# Altium PCB PCB2.PcbDoc (part 2 of 2)
Units mm, origin at the board's own origin, x right, y up, seen from the top; angles counter-clockwise.
Board outline 84.64 x 39.24 mm, 4 copper layers (Top Layer, Mid Layer 1, Mid Layer 2, Bottom Layer), stack 0.603 mm thick; 97 components, 60 nets, 298 pads, 184 vias.
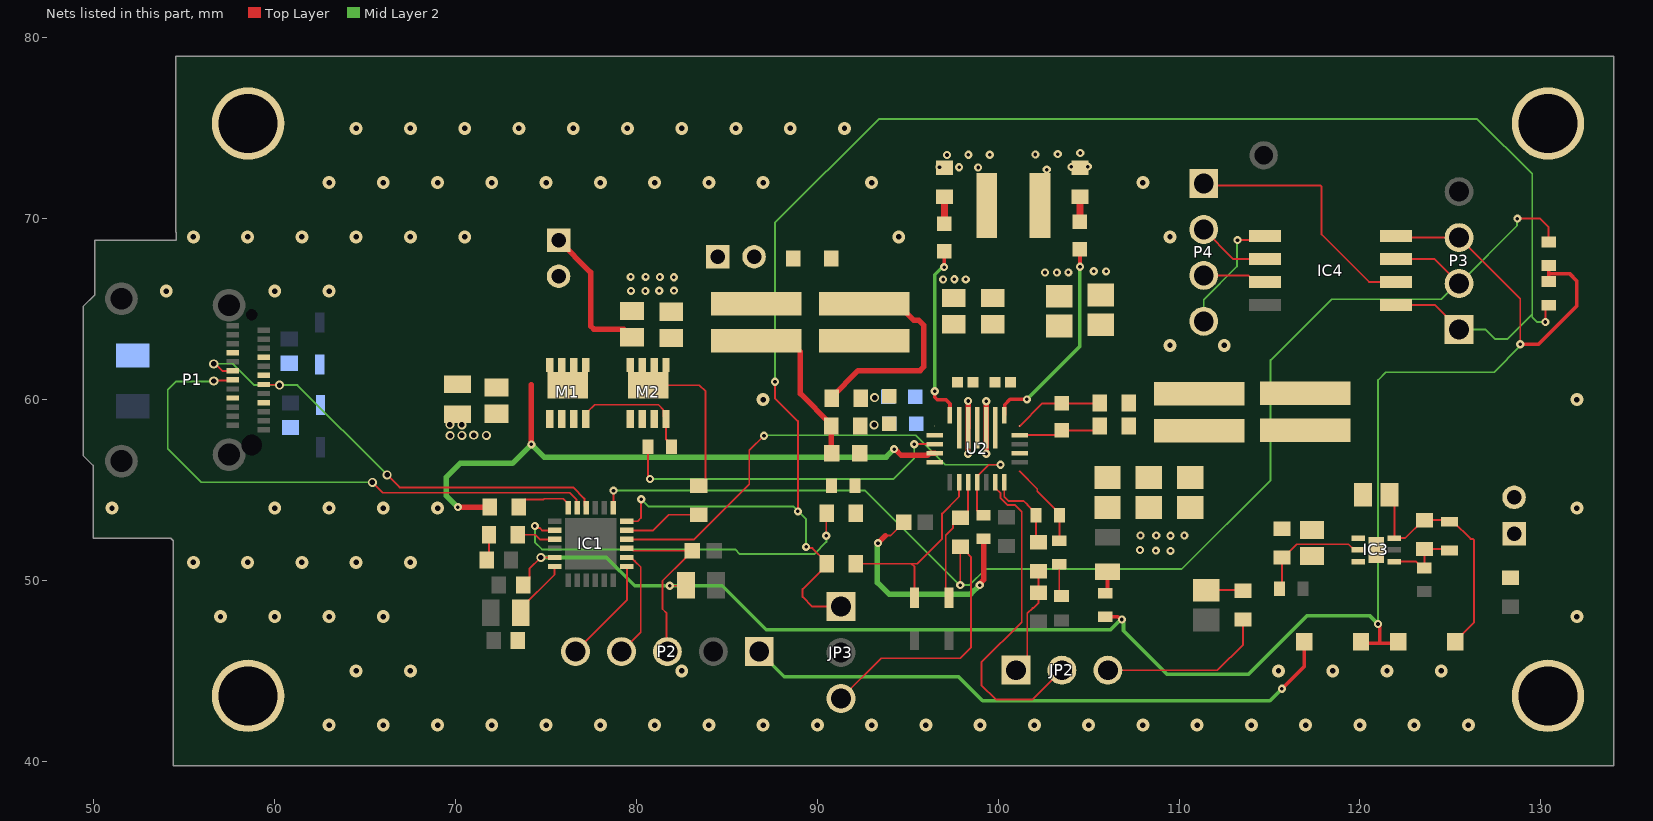
[diagram p4: the nets of this part, all layers, seen from the top]

## Via types
v1: diameter 0.711, hole 0.3, Top Layer to Bottom Layer, 81 vias
v2: diameter 0.45, hole 0.2, Top Layer to Bottom Layer, 77 vias
v3: diameter 0.5, hole 0.3, Top Layer to Bottom Layer, 24 vias
v4: diameter 0.5, hole 0.2, Top Layer to Bottom Layer, 1 vias
v5: diameter 1.27, hole 0.711, Top Layer to Bottom Layer, 1 vias

## Nets (pads, with @x,y where several pads share a name; then routed paths per layer and width w, separated by ;. In a path a pad name is that pad's centre, name@x,y a point inside that pad or via, vN(x,y) a via of type N, cw(c..) or ccw(c..) an arc to the next point about the centre after c; other vN are vias at no path point) (continued)
DM0: IC1.16 P1.A7 P1.B7 | length 26.2
  Top Layer w0.102: v3(56.624,61.979) 56.703,61.979 57.095,61.587 P1.B7@57.681,61.587 ; P1.A7@59.381,60.837 59.4,60.818 60.242,60.818 v3(60.261,60.799) ; v3(66.212,55.838) 66.902,55.148 76.502,55.148 77.122,54.528 77.122,54.12 IC1.16@77.221,54.021
  Mid Layer 2 w0.102: v3(56.624,61.979) 57.678,61.979 58.858,60.799 v3(60.261,60.799) 61.251,60.799 v3(66.212,55.838)
DP0: IC1.17 P1.A6 P1.B6 | length 31.3
  Top Layer w0.102: v3(56.626,61.028) 56.656,61.058 57.652,61.058 P1.B6@57.681,61.087 ; v3(65.396,55.426) 65.975,54.847 76.321,54.847 76.68,54.489 76.68,54.062 IC1.17@76.721,54.021
  Mid Layer 2 w0.102: v3(56.626,61.028) 56.605,61.007 54.547,61.007 54.078,60.538 54.078,57.279 55.931,55.426 v3(65.396,55.426)
FB: IC1.20 R20.1 | length 20.4
  Top Layer w0.102: v2(74.379,53.014) 74.473,53.014 74.584,52.903 74.644,52.903 74.776,52.771 IC1.20@75.471,52.771 ; v2(90.494,52.475) 90.494,53.702 R20.1@90.513,53.721
  Mid Layer 2 w0.102: v2(74.379,53.014) 74.379,52.116 74.774,51.721 85.452,51.721 85.717,51.455 89.825,51.455 90.503,52.133 90.503,52.466 v2(90.494,52.475)
IMON: C36.1 R29.2 | length 2
  Top Layer w0.102: C36.1@111.506,49.467 113.512,49.467 R29.2@113.538,49.441
INT: IC1.10 R30.2 U2.5 | length 28.7
  Top Layer w0.102: IC1.10@79.471,52.271 83.194,52.271 86.239,55.316 86.239,57.188 v2(87.05,57.999) ; R30.2@99.187,53.609 99.087,53.609 98.834,53.862 U2.5@98.834,55.437 98.834,55.762 99.467,56.395 v2(100.13,56.395)
  Mid Layer 2 w0.102: v2(87.05,57.999) 87.08,58.029 95.432,58.029 97.066,56.395 v2(100.13,56.395)
"LDO OUT": C1.2 C3.2 D2.2 IC3.6 R2.2 | length 13.8
  Top Layer w0.102: C3.2@121.63,54.737 121.904,54.463 IC3.6@121.904,52.339 122.495,52.339 123.496,53.34 R2.2@123.571,53.34 124.879,53.34 C1.2@124.968,53.251 125.168,53.251 126.119,52.3 126.24,52.3 126.3,52.24 126.3,47.661 125.273,46.634 D2.2@125.273,46.609
NetC1_1: C1.1 IC3.4 R2.1 R4.2 | length 4.3
  Top Layer w0.102: IC3.4@121.904,51.039 123.12,51.039 123.471,50.688 R4.2@123.571,50.688 R2.1@123.571,51.74 124.879,51.74 C1.1@124.968,51.651
NetC7_1: C7.1 U2.23 | length 10
  Top Layer w0.102: C7.1@97.008,68.191 C7.1@97.028,68.211
  Top Layer w0.2: v2(96.492,60.46) 96.492,60.13 96.627,59.995 97.112,59.995 97.334,59.773 U2.23@97.334,59.137 ; v2(97.008,67.323) C7.1@97.008,68.191
  Mid Layer 2 w0.102: v2@96.905,67.323 v2(97.008,67.323)
  Mid Layer 2 w0.2: v2(96.492,60.46) 96.492,66.91 v2@96.905,67.323
NetC7_2: C7.2 R7.2 | length 1.5
  Top Layer w0.4: C7.2@97.028,69.711 R7.2@97.028,71.209
NetC8_1: C8.1 U2.17 | length 11.5
  Top Layer w0.102: C8.1@104.521,68.326 C8.1@104.525,68.322
  Top Layer w0.2: U2.17@100.334,59.137 100.358,59.161 100.358,59.712 100.658,60.012 v2(101.588,60.012) ; v2(104.525,67.347) C8.1@104.525,68.322
  Mid Layer 2 w0.102: v2@104.5,67.322 v2(104.525,67.347)
  Mid Layer 2 w0.2: v2(101.588,60.012) 104.5,62.924 v2@104.5,67.322
NetC8_2: C8.2 R8.2 | length 1.4
  Top Layer w0.4: C8.2@104.521,69.826 R8.2@104.521,71.209
NetC9_2: C9.2 C10.2 C11.2 R9.1 R12.2 R13.2 U2.18
NetC30_1: C30.1 R23.2 | length 1.4
  Top Layer w0.102: C30.1@71.721,51.132 71.845,51.256 R23.2@71.845,52.529
NetC31_1: C31.1 C34.2 IC1.24 | length 3.3
  Top Layer w0.102: C34.2@73.602,48.211 73.602,48.461 75.471,50.33 IC1.24@75.471,50.771
NetD5_1: D5.1 R25.2 U2.4 | length 7.1
  Top Layer w0.102: D5.1@97.282,49.041 97.1,49.223 97.1,52.5 97.493,52.893 97.493,53.118 97.842,53.467 R25.2@97.917,53.467 97.984,53.467 98.334,53.816 U2.4@98.334,55.437
NetD6_1: D6.1 R24.2 U2.3 | length 10.8
  Top Layer w0.102: R24.2@92.113,50.927 95.2,50.927 ; D6.1@95.377,49.041 95.377,50.75 95.2,50.927 ; U2.3@97.834,55.437 97.834,54.634 96.897,53.697 96.897,52.297 95.527,50.927 95.2,50.927
NetD7_2: "J4V (SOLAR).2" D7.2
NetIC1_11: IC1.11 R6.2 | length 4.3
  Top Layer w0.102: IC1.11@79.471,52.771 80.924,52.771 81.787,53.634 R6.2@83.44,53.634
NetIC1_21: IC1.21 R23.1 | length 2.1
  Top Layer w0.102: R23.1@73.445,52.529 74.391,52.529 74.649,52.271 IC1.21@75.471,52.271
NetIC3_2: IC3.2 R1.2 R3.2 | length 6.4
  Top Layer w0.102: R3.2@115.555,49.53 115.697,49.672 R1.2@115.697,51.27 115.772,51.27 116.501,51.999 119.369,51.999 119.679,51.689 IC3.2@119.904,51.689
NetJP2_3: JP2.3 R29.1 | length 9.5
  Top Layer w0.102: JP2.3@106.062,45.037 112.123,45.037 113.538,46.452 R29.1@113.538,47.841
NetLED1_2: LED1.2 R21.2 | length 1.2
  Top Layer w0.102: R21.2@105.918,49.291 R21.2@106.045,49.418
  Top Layer w0.2: R21.2@106.045,49.418 LED1.2@106.045,50.485
NetM1_4: M1.4 M2.4 R14.2 | length 7.1
  Top Layer w0.102: M1.4@77.19,58.926 77.19,59.218 77.535,59.563 77.537,59.563 77.597,59.623 77.597,59.63 77.682,59.715 81.216,59.715 81.483,59.448 81.483,59.078 M2.4@81.635,58.926 81.635,57.799 81.93,57.504 R14.2@81.93,57.404
NetR26_1: R26.1 RNTC1.2 | length 1.8
  Top Layer w0.102: R26.1@103.378,50.897 103.378,49.276 RNTC1.2@103.505,49.149
NTC: R22.2 R26.2 U2.9 | length 4.8
  Top Layer w0.102: U2.9@101.183,56.037 102.163,55.056 102.163,54.924 103.393,53.694 R22.2@103.393,53.594 103.393,52.212 R26.2@103.378,52.197
PB1: IC4.6 P4.1 | length 14.4
  Top Layer w0.102: P4.1@111.365,71.949 111.477,71.837 117.817,71.837 117.877,71.777 117.877,69.135 120.509,66.503 IC4.6@122,66.503
PB3: IC4.2 P4.2 | length 4.1
  Top Layer w0.102: P4.2@111.365,69.409 113.001,67.773 IC4.2@114.75,67.773
PB4: IC4.3 P4.3 | length 3.5
  Top Layer w0.102: P4.3@111.365,66.869 113.834,66.869 114.2,66.503 IC4.3@114.75,66.503
PB5: IC4.1 P4.4 | length 6.9
  Top Layer w0.102: v2(113.233,68.818) 114.525,68.818 IC4.1@114.75,69.043
  Mid Layer 2 w0.102: P4.4@111.365,64.329 111.365,65.522 113.205,67.362 113.205,68.79 v2(113.233,68.818)
PGND: "J4V (SOLAR).1" C2.2 C3.1 C4.2 C5.1 C6.1 C9.1 C10.1 C11.1 C12.2 C13.2 C16.1 C17.1 C19.2 C20.2 C21.2 C22.1 C27.2 C28.2 C29.2 D3.2 D4.2 ETCH1.1 IC3.3 IC3.7 J2.1 MP1. MP2. MP3. MP4. R18.1 RS1.2 U2.20
  other v1: 63,42 66,42 69,42 72,42 75,42 78,42 81,42 84,42 87,42 90,42 93,42 96,42 99,42 102,42 105,42 108,42 111,42 114,42 117,42 120,42 123,42 126,42 64.5,45 67.5,45 82.5,45 115.5,45 118.5,45 121.5,45 124.5,45 57,48 60,48 63,48 66,48 132,48 55.5,51 58.5,51 61.5,51 64.5,51 67.5,51 51,54 60,54 63,54 66,54 69,54 132,54 87,60 132,60 109.5,63 112.5,63 54,66 60,66 63,66 55.5,69 58.5,69 61.5,69 64.5,69 67.5,69 70.5,69 94.5,69 109.5,69 63,72 66,72 69,72 72,72 75,72 78,72 81,72 84,72 87,72 93,72 108,72 64.5,75 67.5,75 70.5,75 73.5,75 76.5,75 79.5,75 82.5,75 85.5,75 88.5,75 91.5,75
  other v2: 108.716,51.649 109.529,51.637 107.844,51.685 107.868,52.486 108.74,52.486 109.529,52.474 110.295,52.486 79.696,66.014 80.493,66.008 81.259,66.019 82.074,66.026 96.957,66.643 97.579,66.654 98.206,66.646 82.07,66.763 79.674,66.789 80.504,66.789 81.292,66.778 102.587,67.028 103.243,67.028 103.878,67.038 105.968,67.09 105.284,67.1
  other v3: 69.693,58.01 70.347,58.024 71.699,58.024 71.001,58.039 70.347,58.606 69.678,58.62
S_CLK: IC1.8 P2.4 | length 6.1
  Top Layer w0.102: P2.4@79.166,46.065 80.238,47.137 80.238,50.745 79.909,51.073 79.894,51.073 79.696,51.271 IC1.8@79.471,51.271
S_DAT: IC1.7 P2.5 | length 6.1
  Top Layer w0.102: P2.5@76.626,46.065 79.471,48.91 IC1.7@79.471,50.771 IC1.7@79.696,50.771
SCL: IC1.13 IC4.7 JP3.3 P3.2 R25.1 R_SCL_PULLUP.2 | length 88.7
  Top Layer w0.102: IC1.13@78.721,54.021 78.721,54.89 78.73,54.899 v2(78.73,54.97) ; JP3.3@91.307,43.475 93.532,45.7 97.9,45.7 98.5,46.3 98.5,51.284 98.341,51.443 98.341,51.518 97.992,51.867 R25.1@97.917,51.867 97.904,51.854 v2(97.904,49.745) ; IC4.7@122,67.773 124.13,67.773 P3.2@125.485,66.418 ; v2(128.708,70.005) 129.961,70.005 130.433,69.533 R_SCL_PULLUP.2@130.433,68.718
  Mid Layer 2 w0.102: v2(78.73,54.97) 92.653,54.97 97.878,49.745 v2(97.904,49.745) 98.411,49.745 99.301,50.634 110.153,50.634 115.066,55.547 115.066,62.184 118.434,65.552 124.501,65.552 125.367,66.418 P3.2@125.485,66.418 128.695,69.628 128.695,69.992 v2(128.708,70.005)
SDA: IC1.12 IC4.5 JP3.1 P3.1 R24.1 R_SDA_PULLUP.2 | length 99.9
  Top Layer w0.102: IC1.12@79.471,53.271 80.064,53.271 80.248,53.455 80.248,54.471 v2(80.265,54.488) ; v2(87.656,60.99) 87.656,60.082 88.924,58.814 v2(88.924,53.82) ; v2(89.379,51.858) 89.446,51.791 89.724,51.791 90.513,51.002 R24.1@90.513,50.927 90.513,50.852 89.184,49.523 89.184,49.092 89.721,48.555 JP3.1@91.307,48.555 ; IC4.5@122,65.233 124.13,65.233 P3.1@125.485,63.878 ; v2(130.256,64.288) 130.256,65.044 R_SDA_PULLUP.2@130.433,65.221
  Mid Layer 2 w0.102: v2(80.265,54.488) 80.662,54.091 88.666,54.091 89.379,53.378 v2(89.379,51.858) ; v2(87.656,60.99) 87.656,69.773 93.395,75.512 126.493,75.512 129.527,72.478 129.527,64.714 ; P3.1@125.485,63.878 126.938,63.878 127.463,63.353 128.166,63.353 129.527,64.714 ; v2(130.256,64.288) 130.244,64.3 129.783,64.3 129.527,64.556 129.527,64.714
SRN: C18.2 R16.2 U2.14 | length 4.6
  Top Layer w0.102: U2.14@101.196,58.037 103.249,58.037 C18.2@103.505,58.293 105.372,58.293 R16.2@105.626,58.547
SRP: C18.1 R9.2 U2.15 | length 5
  Top Layer w0.102: U2.15@101.183,58.537 102.439,59.793 C18.1@103.505,59.793 105.602,59.793 R9.2@105.626,59.817
SW1: L1.1 R7.1 U2.21 | length 2.9
  Top Layer w0.102: v2(98.331,56.999) v2@98.332,57 ; U2.21@98.332,58.436 U2.21@98.334,58.437 ; v2@98.333,59.808 98.333,59.913 v2(98.34,59.92)
  Top Layer w0.3: v2@98.332,57 U2.21@98.332,58.436 ; U2.21@98.334,58.437 v2@98.334,59.807
  other v2: 98.891,72.832 96.753,72.855 97.84,72.848 97.167,73.522 98.349,73.538 99.531,73.538
SW2: L1.2 R8.1 U2.19 | length 2.9
  Top Layer w0.102: v2@99.334,59.702 99.335,59.703 99.335,59.903 v2(99.339,59.907)
  Top Layer w0.3: v2@99.334,59.702 U2.19@99.334,58.437 99.338,58.432 99.338,57.011 v2(99.343,57.006)
  other v2: 102.683,72.717 104.046,72.865 104.95,72.884 102.059,73.554 103.291,73.571 104.539,73.636
T/I: JP2.2 U2.7 | length 18.4
  Top Layer w0.102: U2.7@99.834,55.437 99.834,55.112 100.13,54.815 100.13,54.549 100.505,54.175 100.925,54.175 101.3,53.8 101.3,47.7 99.074,45.474 99.074,44.215 99.867,43.422 101.907,43.422 JP2.2@103.522,45.037
TO_ACGATE: M1.1 M1.2 M1.3 M2.1 M2.2 M2.3 R14.1 U2.27 | length 18.8
  Top Layer w0.102: R14.1@80.63,57.404 80.63,55.816 80.744,55.702 v2(80.744,55.608) ; v2(95.357,57.534) 95.36,57.537 U2.27@96.496,57.537
  Mid Layer 2 w0.102: v2(80.744,55.608) 94.202,55.608 95.357,56.763 v2(95.357,57.534)
TO_ADP: C4.1 C22.2 J3.2 M1.5 M1.6 M1.7 M1.8 M1.9 P1.A4 P1.A9 P1.B4 P1.B9 R5.2 U2.28 | length 35.5
  Top Layer w0.102: R5.2@71.879,54.057 R5.2@71.883,54.053 ; v2(94.247,57.259) 94.304,57.202 v2@94.351,57.202
  Top Layer w0.3: v2(70.127,54.057) R5.2@71.879,54.057 ; v2(74.187,57.524) 74.187,60.833 ; v2@94.316,57.23 94.323,57.23 94.64,56.913 96.085,56.913 96.208,57.037 U2.28@96.496,57.037
  Mid Layer 2 w0.102: 69.471,55.711 69.484,55.711 ; v2@70.052,54.106 70.078,54.106 v2(70.127,54.057)
  Mid Layer 2 w0.3: 69.471,55.711 69.471,54.687 v2@70.052,54.106 ; 69.484,55.711 70.25,56.477 73.14,56.477 v2(74.187,57.524) 74.893,56.818 93.806,56.818 v2(94.247,57.259)
TO_FB: R17.1 R18.2 R20.2 U2.29
TO_IAN: C13.1 C14.1 R11.2 U2.24
  other v3: 93.169,60.106
TO_IAP: C12.1 C14.2 R10.2 U2.26
  other v3: 93.137,58.606
TO_VIN: C19.1 C20.1 C21.1 D7.1 R11.1 R15.1 R32.1 U2.22 | length 12
  Top Layer w0.102: U2.22@97.815,58.419 U2.22@97.834,58.437
  Top Layer w0.3: R11.1@90.805,60.071 90.805,60.146 92.259,61.6 95.679,61.6 95.883,61.804 95.883,64.112 95.608,64.387 95.342,64.387 94.433,65.296 R32.1@92.583,65.296
TP_VBUS: C16.2 C17.2 J3.1 M2.5 M2.6 M2.7 M2.8 M2.9 R6.1 R10.1 R15.2 R17.2 R32.2 | length 25.8
  Top Layer w0.102: C16.2@79.304,63.897 C16.2@79.756,63.445 ; M2.9@80.645,60.794 83.478,60.794 83.82,60.452 R6.1@83.82,55.041 ; R15.2@86.614,63.246 88.464,63.246 R15.2@89.063,62.647 ; R17.2@90.767,57.046 R17.2@90.79,57.023 ; R10.1@90.767,58.547 R10.1@90.767,58.622
  Top Layer w0.3: J3.1@75.692,68.818 77.47,67.04 77.47,64.068 77.641,63.897 C16.2@79.304,63.897 ; R15.2@89.063,62.647 89.063,60.326 R10.1@90.767,58.622 ; R17.2@90.767,57.046 R10.1@90.767,58.547
TS: JP2.1 R27.1 R31.2 | length 6
  Top Layer w0.102: JP2.1@101.3,44.94 101.608,45.248 101.608,48.177 101.9,48.469 101.943,48.469 102.235,48.762 R31.2@102.235,49.314 R27.1@102.235,50.508
VBATT: C2.1 C27.1 C28.1 C29.1 IC3.1 J2.2 R1.1 R12.1 R13.1 R16.1 U2.12
VBUS_IN_DSG: IC1.18 R5.1 | length 3.3
  Top Layer w0.102: R5.1@73.483,54.053 73.832,54.402 73.832,54.477 74.872,54.477 74.911,54.516 75.951,54.516 76.221,54.246 IC1.18@76.221,54.021
VCC: C35.1 R30.1 U2.1 | length 12.9
  Top Layer w0.102: 93.769,52.481 94.045,52.481 C35.1@94.776,53.213 ; v2(98.981,49.745) v2@98.981,49.819 ; R30.1@99.187,52.309 R30.1@99.211,52.285
  Top Layer w0.3: v2(93.351,52.063) 93.769,52.481 ; v2@98.981,49.819 99.211,50.049 R30.1@99.211,52.285
  Mid Layer 2 w0.102: v2@93.322,51.947 93.351,51.976 v2(93.351,52.063)
  Mid Layer 2 w0.3: v2@93.322,51.947 93.322,49.883 93.962,49.243 98.479,49.243 v2(98.981,49.745)
"VDD MCU": C32.1 C33.2 D1.1 D2.1 IC1.23 IC4.8 P3.3 R21.1 R_SCL_PULLUP.1 R_SDA_PULLUP.1 | length 100.3
  Top Layer w0.102: C33.2@73.731,49.735 74.08,50.084 74.08,50.64 v3(74.71,51.27) IC1.23@75.471,51.271 ; v2(81.841,49.704) 82.706,49.704 C32.1@82.737,49.735 ; D1.1@119.99,46.533 D1.1@120.066,46.609 ; IC4.8@122,69.043 122.085,68.958 P3.3@125.485,68.958 128.87,65.573 v2(128.87,63.063) ; D2.1@122.047,46.533 D2.1@122.123,46.609
  Top Layer w0.2: R21.1@105.918,47.991 106.619,47.991 106.769,47.841 v2(106.837,47.841) ; D1.1@119.99,46.533 121.091,46.533 ; v2(121,47.594) 121.091,47.503 121.091,46.533 ; D2.1@122.047,46.533 121.091,46.533 ; v2(128.87,63.063) 129.881,63.063 131.98,65.162 131.98,66.58 131.59,66.97 130.433,66.97 ; R_SDA_PULLUP.1@130.433,66.521 130.433,66.97 ; R_SCL_PULLUP.1@130.433,67.418 130.433,66.97
  Mid Layer 2 w0.102: v2(121,47.594) 121,61.076 121.438,61.514 127.422,61.514 128.878,62.97 128.878,63.055 v2(128.87,63.063)
  Mid Layer 2 w0.2: v3(74.71,51.27) 78.332,51.27 79.898,49.704 v2(81.841,49.704) 84.738,49.704 87.171,47.271 106.21,47.271 106.78,47.841 v2(106.837,47.841) 106.837,47.773 106.929,47.681 106.929,47.223 109.328,44.824 113.847,44.824 117.061,48.038 120.556,48.038 v2(121,47.594)
VNTC: R22.1 R27.2 U2.8 | length 4.6
  Top Layer w0.102: U2.8@100.334,55.437 100.334,54.634 100.567,54.4 101.4,54.4 101.622,54.178 101.622,54.165 102.093,53.694 R22.1@102.093,53.594 102.093,52.25 R27.2@102.235,52.108
VTARG: D1.2 P2.1 | length 33.4
  Top Layer w0.2: v2(115.689,44.012) 116.916,45.239 D1.2@116.916,46.609
  Mid Layer 2 w0.2: P2.1@86.786,46.065 88.175,44.676 97.808,44.676 99.137,43.347 115.024,43.347 v2(115.689,44.012)
XRES: C26.2 IC1.9 P2.3 | length 10
  Top Layer w0.102: IC1.9@79.471,51.771 79.696,51.771 79.827,51.64 C26.2@83.093,51.64 82.716,51.262 81.438,49.985 81.438,48.422 81.662,48.198 81.662,46.109 P2.3@81.706,46.065
pads on no net: IC1.1 IC1.2 IC1.3 IC1.4 IC1.5 IC1.6 IC1.25 IC3.5 P1.A2 P1.A3 P1.A8 P1.A10 P1.A11 P1.B2 P1.B3 P1.B8 P1.B10 P1.B11 P1.MH1 P1.MH2 P1.MH3 P1.MH4 P1.MH5 P1.MH6 U2.13

## Polygon pours and split planes (outlines as drawn)
PGND on Top Layer "PGND_L01_P000" (solid, pour order 0): 45.057,80.527 45.833,81.303 136.892,81.303 136.892,35.445 135.459,34.012 45.535,34.012 45.535,81.312 45.541,81.306 45.832,81.306
PGND on Bottom Layer "PGND_L04_P001" (solid, pour order 1): 46.55,80.991 135.767,80.991 135.826,80.932 135.766,80.872 135.766,37.455 46.609,37.455 46.55,37.396 46.55,80.932
PGND on Mid Layer 2 "PGND_L03_P002" (solid, pour order 2): 47.384,80.396 135.706,80.396 135.766,80.336 135.707,80.277 135.707,37.991 47.562,37.991 47.503,37.932 47.37,38.065 47.37,80.38
PGND on Mid Layer 1 "PGND_L02_P003" (solid, pour order 3): 47.594,81.652 136.462,81.652 136.818,81.296 136.818,35.881 48.306,35.881 47.587,36.6 47.587,81.645

## Other copper
Top Layer:
  region net SRP: 100.936,59.616 101.657,59.616 101.732,59.541 101.732,58.614 101.719,58.627 101.719,58.421 100.984,58.421 100.936,58.469 100.936,59.609
  region net TO_IAP: 91.928,59.017 93.511,59.017 93.622,59.128 93.637,59.113 94.602,59.113 94.602,58.59 95.022,58.17 96.96,58.17 96.96,57.957 96.937,57.934 94.875,57.934 94.521,58.288 93.35,58.288 93.026,57.964 91.869,57.964 91.869,59.02 91.87,59.021 91.954,59.021
  region net TO_IAN: 96.944,59.588 96.913,59.619 95.314,59.619 94.367,60.566 91.937,60.566 91.937,59.713 92.169,59.481 94.998,59.481 95.14,59.223 95.251,58.915 95.786,58.415 96.902,58.42 96.913,58.409 96.913,58.415 96.951,58.415 96.957,58.421 96.957,59.586 96.95,59.586 96.946,59.59
  region net CSP: 59.73,63.99 59.029,63.99 59.027,63.988 59.023,63.992 58.527,63.992 58.387,64.132 55.454,64.132 55.075,63.753 55.075,58.613 55.244,58.444 58.559,58.444 58.64,58.363 59.702,58.363 59.702,58.486 58.977,58.486 58.968,58.477 58.76,58.685 56.5,58.685 56.141,59.044 56.158,59.061 56.158,63.375 56.724,63.941 58.345,63.941 58.598,63.688 58.6,63.69 59.731,63.69 59.732,63.691 59.729,63.694 59.729,63.989
  region net DP0: 57.33,61.228 58.587,61.228 58.885,61.526 59.775,61.526 59.775,61.182 59.764,61.171 59.76,61.175 58.839,61.175 58.537,60.873 57.322,60.873 57.322,61.232 57.326,61.236
  region net TO_ADP: 59.9,60 58.887,60 58.881,59.994 58.339,59.994 58.091,60.242 57.28,60.242 57.28,59.986 57.39,59.876 58.128,59.876 58.404,59.6 59.9,59.6
  region net TO_ADP: 58.894,62.5 58.651,62.743 57.331,62.743 57.311,62.723 57.311,62.452 57.312,62.451 57.312,62.427 58.411,62.427 58.738,62.1 58.894,62.1
  region net TO_ADP: 60.182,62.1 58.894,62.1 58.894,62.5 61.9,62.5 64.7,65.3 64.7,66.3 72.1,66.3 73.4,67.6 76.4,67.6 76.7,67.3 76.7,63.7 76.8,63.7 78,62.5 78,60 77.9,60.1 65.8,60.1 65.8,59.1 60.4,59.1 59.9,59.6 59.9,60 61.9,60 60.793,60 60.793,62.1
  region net NetD7_2: 85.9,68.7 86.6,69.4 88.2,69.4 89.3,68.3 89.3,66.6 86.7,66.6 85.7,67.6 85.7,68.8 86.3,69.4 86.6,69.4
  region net TO_VIN: 89.7,65.6 95.563,65.6 95.631,65.532 95.631,66.569 93.4,68.8 89.7,68.8
  region net AGND: 97.2,55.9 97.2,54.9 96.9,54.6 96.4,54.6 96.4,54.496 95.545,53.641 95.6,53.587 95.6,52.7 95.8,52.5 96.5,52.5 96.5,53.7 97.1,54.3 97.1,54.5 97.5,54.9 97.4,55 97.4,55.9
  region net VCC: 95.885,56.134 96.901,56.134 96.901,54.991 96.139,54.991 95.377,54.229 95.377,52.451 93.726,52.451 93.599,52.578 93.599,53.594 93.726,53.594 95.885,55.753
  region net TO_FB: 96.901,56.642 94.325,56.642 92.795,57.531 91.821,57.531 91.821,55.753 91.694,55.626 91.694,53.213 92.583,53.213 93.726,54.356 93.726,55.245 94.869,56.388 96.901,56.388
  region net NetC31_1: 72.899,48.719 72.899,45.925 74.423,45.925 74.677,46.179 74.677,49.536 75.471,50.33 75.471,50.55 75.747,50.55 75.82,50.624 75.82,50.878 75.058,50.878 75.058,50.243 74.537,49.721 74.537,49.086 74.423,48.973 73.026,48.973 73.026,48.846
  region net VBATT: 100.838,57.15 105.918,57.15 106.426,57.658 106.426,59.182 107.696,59.182 107.95,58.928 108.331,58.928 108.585,59.182 108.712,59.055 128.397,59.055 131.318,56.134 131.318,53.594 126.365,53.594 125.73,54.229 123.063,54.229 123.063,55.372 122.428,56.007 122.301,55.88 118.999,55.88 118.999,53.975 120.142,52.832 120.269,52.705 120.269,52.197 114.808,52.197 113.284,53.721 113.284,54.864 104.902,54.864 102.87,56.896 100.838,56.896 100.838,57.15 101.082,57.15 101.196,57.037
  region net NetC9_2: 99.695,57.277 99.695,60.198 100.076,60.198 100.33,60.452 100.33,61.849 100.838,61.849 102.108,63.119 102.108,64.77 107.061,64.77 107.696,64.135 107.696,61.722 119.38,61.722 120.142,60.96 120.142,59.436 108.331,59.436 108.077,59.182 107.95,59.309 106.68,59.309 106.68,60.706 106.426,60.96 106.299,60.833 101.219,60.833 101.219,60.579 100.711,60.579 99.949,59.817 99.949,57.277
  region net TO_VIN: 97.917,57.277 97.917,60.198 98.171,60.452 98.171,62.23 99.441,63.5 100.457,63.5 100.457,64.643 100.33,64.77 96.393,64.77 95.631,65.532 95.631,66.294 83.439,66.294 83.312,66.167 83.312,64.389 95.631,64.389 96.52,63.5 96.901,63.5 96.901,62.103 97.282,61.722 97.282,60.325 97.663,60.325 97.663,57.277
  region net SW2: 100.965,73.66 100.965,67.945 102.743,67.945 103.378,68.58 103.378,71.374 104.14,72.136 105.537,72.136 105.537,74.041 105.283,74.295 101.219,74.295 101.219,73.914
  region net SW1: 96.139,72.263 97.917,72.263 98.298,71.882 98.298,68.453 98.806,67.945 100.711,67.945 100.711,73.787 100.457,74.041 100.457,74.295 96.139,74.295
  region net AGND: 85.091,52.529 85.853,51.767 85.853,48.846 85.472,48.465 83.694,48.465 83.694,52.529 83.948,52.529
  region net AGND: 73.535,51.132 73.535,50.625 72.899,49.989 72.899,49.227 72.518,48.846 72.518,46.052 72.264,45.798 70.881,45.798 70.881,49.368 71.883,50.37 72.391,50.37 72.391,51.386 72.645,51.64 73.534,51.64 73.534,51.133
  region net TP_VBUS: 78.486,60.706 79.248,59.944 85.852,59.944 88.392,62.484 95.631,62.484 95.631,64.008 95.504,64.135 95.377,64.008 78.486,64.008
  region net TO_ACGATE: 74.93,59.436 74.93,57.658 75.311,57.277 79.248,57.277 79.248,56.515 81.28,56.515 81.28,59.436 81.153,59.563 79.502,59.563 79.502,58.547 79.121,58.166 79.121,58.039 77.089,58.039 76.835,58.293 76.835,59.563 75.057,59.563
  region net PGND: 73.406,59.817 73.787,59.436 73.787,58.039 73.162,57.414 69.387,57.414 68.707,58.094 68.707,59.817
Mid Layer 2:
  region net SW2: 101.752,74.591 101.766,74.605 105.26,74.605 105.714,74.151 105.714,72.688 105.146,72.12 105.104,72.162 104.095,72.162 104.095,72.12 103.342,71.367 103.357,71.352 103.357,68.541 102.206,67.39 102.206,63.229 99.678,60.701 99.678,60.709 99.6,60.631 99.6,57.218 99.675,57.143 99.675,56.761 99.539,56.625 99.534,56.63 99.137,56.63 98.986,56.781 98.991,56.786 98.991,57.144 98.991,61.064 98.971,61.084 100.808,62.921 100.808,62.911 100.948,63.051 100.948,73.766 101.744,74.562 101.744,74.597
  region net SW1: 96.173,74.487 96.184,74.498 99.986,74.498 100.725,73.759 100.714,73.748 100.714,63.166 98.766,61.218 98.766,56.891 98.762,56.895 98.524,56.657 98.524,56.62 98.19,56.62 97.994,56.816 97.994,61.088 97.983,61.099 98.006,61.099 98.006,63.218 98.651,63.863 98.605,63.909 98.605,67.664 98.029,68.24 98.029,71.407 98.04,71.418 97.591,71.867 97.591,71.914 97.545,71.868 97.557,71.856 96.567,71.856 95.887,72.536 95.887,74.194 96.175,74.482
Bottom Layer:
  region net AGND: 69.501,49.484 69.262,49.245 69.262,45.453 70.577,44.138 75.166,44.138 75.166,44.337 75.525,44.696 75.445,44.776 75.445,47.329 76.243,48.127 81.829,48.127 82.985,46.971 82.985,43.938 84.78,43.938 85.579,44.737 85.579,47.329 88.332,47.329 89.249,46.412 89.249,44.896 92.679,44.896 93.318,44.257 94.258,45.197 94.258,50.097 100.496,50.097 100.523,50.124 100.906,49.741 100.906,47.088 100.958,47.036 106.768,49.695 110.563,45.638 114.749,45.638 114.749,45.719 117.923,48.893 122.409,48.893 126.395,46.438 125.65,57.451 129.238,62.294 123.89,62.294 123.89,68.79 126.821,71.721 126.821,72.929 125.552,74.198 118.512,74.198 117.454,73.14 117.454,66.342 116.85,65.738 116.608,65.98 113.617,65.98 113.617,63.412 112.892,62.687 113.104,62.475 113.104,52.595 110.475,49.966 104.855,49.966 99.325,55.496 95.519,55.496 95.519,55.466 93.948,53.895 93.948,48.003 93.404,48.003 92.618,47.217 92.437,47.398 89.748,47.398 89.748,48.818 88.6,49.966 88.6,53.502 88.539,53.502 87.792,54.249 83.587,54.276 83.587,50.1 83.587,49.347 74.473,49.347 74.473,50.853 73.521,51.805 73.351,51.635 71.661,51.635 69.502,49.476
  region net AGND: 107.19,48.636 107.827,48.636 106.768,49.695 105.62,49.695 104.708,48.783 104.708,48.602 107.156,48.602
  region net AGND: 100.958,47.036 100.906,47.088 102.623,48.805 104.73,48.805 104.73,47.452 105.004,47.178 107.189,47.178 107.189,48.635 107.203,48.649 107.216,48.636 107.957,48.636 110.013,46.58 109.987,46.554 101.44,46.554
  region net AGND: 94.264,47.641 100.353,47.641 101.399,46.595 100.776,45.972 94.261,45.972 94.261,47.644
  region net AGND: 126.395,46.438 126.456,46.499 129.96,46.499 129.96,48.641 128.015,50.586 126.631,50.586 126.433,50.784 126.433,57.837 127.092,57.837 129.432,60.177 129.238,60.371 129.238,62.294 125.65,58.706 125.65,47.183
  region net TO_IAP: 92.956,59.069 94.271,59.069 94.405,58.935 94.405,58.259 94.243,58.097 92.978,58.097 92.789,58.286 92.789,58.916 92.803,58.916
  region net TO_IAN: 94.378,60.383 94.378,60.73 94.32,60.788 92.87,60.788 92.744,60.662 92.744,59.718 92.817,59.645 94.261,59.645 94.374,59.758 94.374,60.383
  region net CSP: 49.959,61.371 54.842,61.371 54.869,61.398 56.924,59.343 56.924,58.089 56.165,57.33 56.179,57.316 56.179,55.73 57.572,54.337 57.572,53.662 53.311,53.626 53.311,53.724 53.311,55.73

## Silkscreen, mask and mechanical layers (free items; w line width, h text height)
Top Overlay:
  text "PB1" at 108.513,71.664 h0.5
  text "GND" at 127.196,71.233 h0.5
  text "PB3" at 108.409,69.036 h0.5
  text "VBUS" at 72.353,68.701 h0.5
  text "VCC" at 127.167,68.605 h0.5
  text "VBUSC" at 71.641,66.721 h0.5
  text "PB4" at 108.461,66.564 h0.5
  text "SCL" at 127.196,66.255 h0.5
  text "PB5" at 108.435,63.989 h0.5
  text "SDA" at 127.196,63.598 h0.5
  text "SDA" at 89.707,47.818 h0.5 r90
  text "AGND" at 89.73,45.169 h0.5 r90
  text "SCL" at 89.684,42.999 h0.5 r90
  text "TS" at 100.562,42.907 h0.5
  text "T/I" at 102.896,42.907 h0.5
  text "AGND" at 84.469,42.605 h0.5 r90
  text "XRES" at 81.937,42.537 h0.5 r90
  text "S_DAT" at 76.766,42.107 h0.5 r90
  text "VTARG" at 87.115,42.107 h0.5 r90
  text "S_CLK" at 79.389,42.085 h0.5 r90
Mechanical 1:
  lines w0.254: 49.53,56.963 49.53,65.095 50.177,65.742 50.177,68.452 50.411,68.686 54.63,68.686 54.715,68.771 54.715,78.812 133.616,78.812 133.876,78.552 133.876,40.164 133.661,39.949 54.777,39.949 54.577,40.149 54.577,52.274 54.305,52.546 50.066,52.546 50.074,52.554 50.074,56.419 49.53,56.963

## Text inside footprints (layer, text, board x,y; h text height)
P2: Top Overlay "5" at 76.474,47.683 h0.5; Top Overlay "1" at 86.763,47.751 h0.5